# Altium PCB 10515.0462_全联供主板_V1.0.PcbDoc (part 1 of 5) (continued)
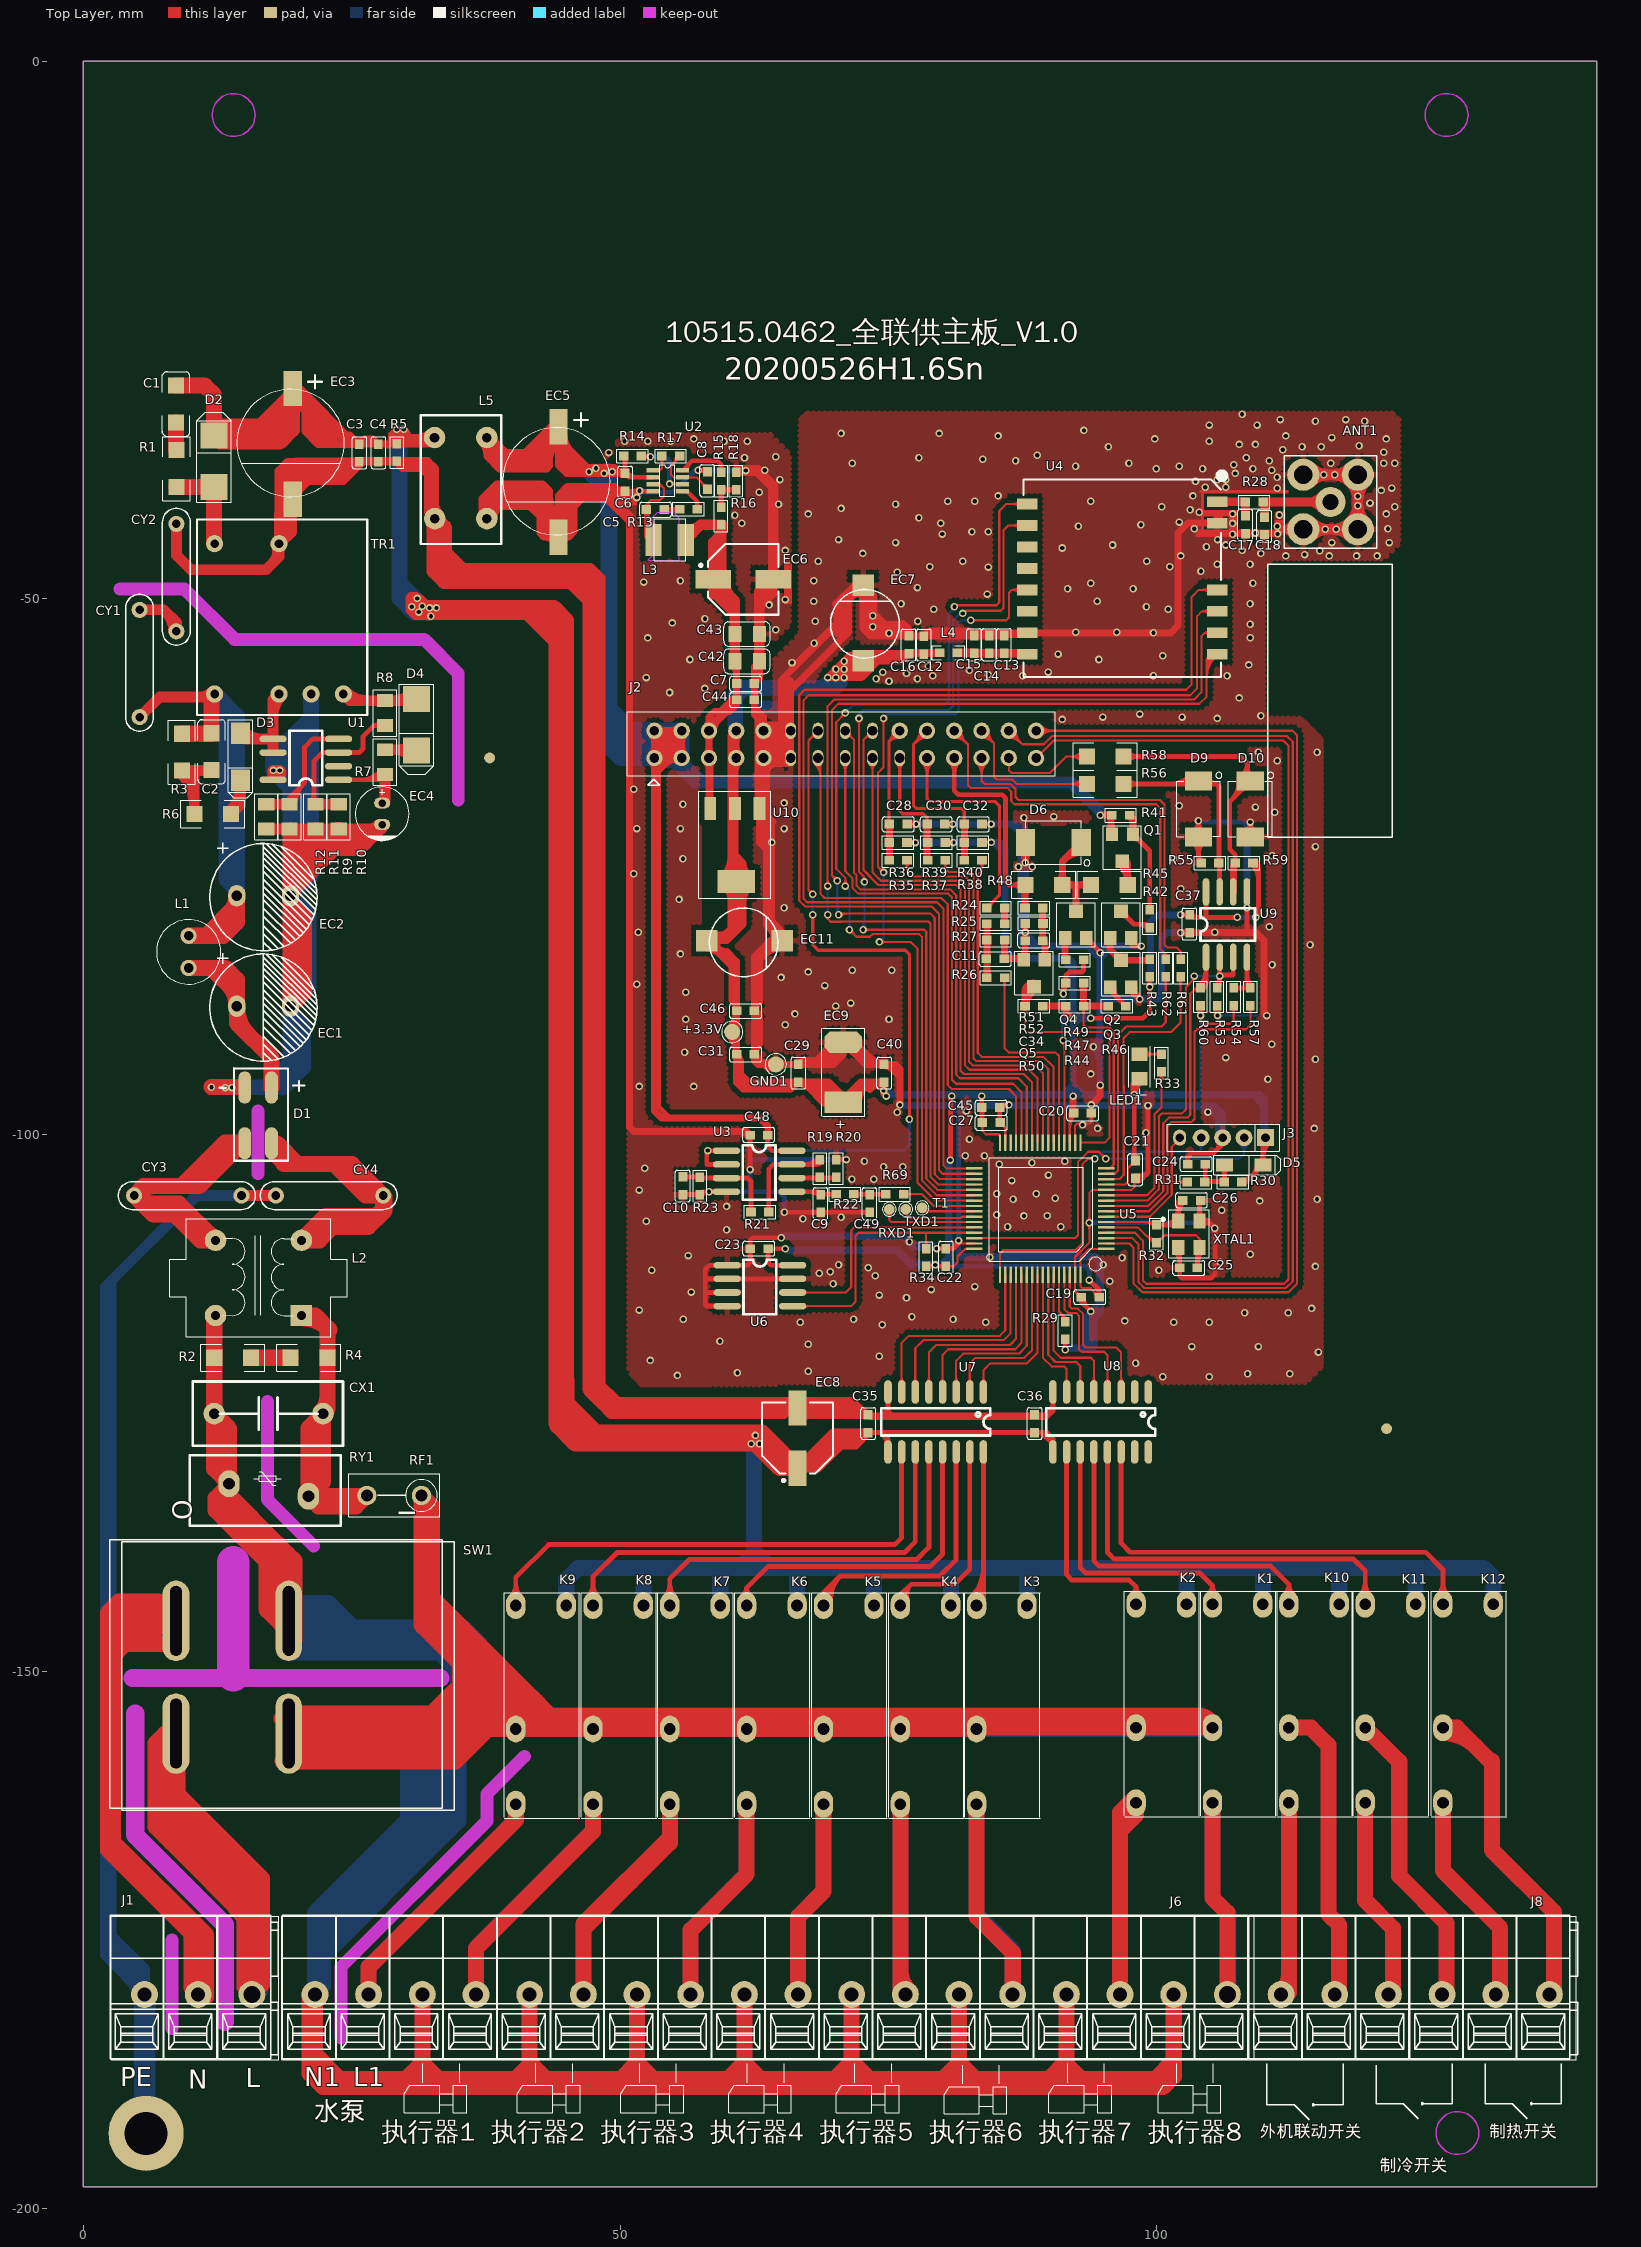
[diagram p0: Top Layer view]
## Footprints (in the part's own frame and the unit in brackets; to place one, negate y for a bottom-side part, rotate by r counter-clockwise, add the part's x,y. Pads: shape width x height; smd on the part's side, far side on the other; paste and mask are expansions set on the pad)
0603R [mil]
  rect 35x32 smd: 1(-32.5,0) 2(32.5,0)
  silkscreen extent -58,-25 58,25, body extent -33,-15 30,16, height 18
0805R [mm]
  rect 1.2x1.524 smd: 1(0,0) 2(2.3,0)
  silkscreen extent -1,-1.1 3.3,1.1, body extent 0.13,-0.64 2.13,0.62, height 0.55
1206R [mm]
  rect 1.5x1.5 smd: 1(-0.02,0) 2(3.409,0)
  silkscreen extent -1.29,-1.27 4.68,1.27, body extent 0.13,-0.76 3.33,0.84, height 0.6
BJT/SMT/SOT-23 [mm]
  rect 1.143x1.27 smd: 1(0,0) 2(1.95,0)
  rect 1.27x1.27 smd: 3(1,2.5)
  silkscreen extent -0.78,-0.8 2.78,3.26
CAP/DIP/0.1uF/250V [mil]
  round 79 hole 39: 1(-399,0) 2(0,0)
  silkscreen extent -472,-118 79,118
CAP/DIP/6.8UF/400V/10MM [mm]
  oval 2x1.6 hole 1: 1(0,-2.5) 2(0,2.5)
  silkscreen extent -4.95,-5.02 5.13,4.98
CAP/DIP/10uF/50V [mm]
  oval 1x1.5 hole 0.7: 1(0,0) 2(2,0)
  silkscreen extent -1.5,-2.5 3.5,2.5
CAP/DIP/102M/250V [mm]
  round 1.5 hole 0.8: 1(0,0) 2(10,0)
  silkscreen extent -1.3,-1.29 11.46,1.31
CAP/SMT/100UF/25V [mm]
  rect 2x2 smd: 1(-0.325,-0.127) 2(6.675,-0.127)
  silkscreen extent -0.1,-3.49 6.3,2.91
CAP/SMT/220UF/16V [mm]
  rect 3.3x1.7 smd: 1(-2.789,0.007) 2(2.811,0.007)
  silkscreen extent -4.06,-3.29 3.31,3.31
CAP/SMT/220UF/50V [mm]
  rect 3.3x1.7 smd: 1(0,-5) 2(10.3,-5)
  silkscreen extent -1.27,-10.2 10.08,-0.21
CAP/SMT/330UF/6.3V [mm]
  rect 2x2 smd: 1(0.056,0) 2(7.056,0)
  silkscreen extent 0.28,-3.37 6.68,3.03
CAP/SMT/0603C [mil]
  rect 35x32 smd: 1(-1,1.97) 2(64,1.97)
  silkscreen extent -28,-24 89,30, body extent -20,-20 82,19, height 35
CAP/SMT/0805C [mm]
  rect 1.2x1.524 smd: 1(0.01,0.01) 2(2.296,0.01)
  silkscreen extent -0.99,-1.13 3.32,1.15, body extent -0.38,-0.64 2.62,0.76, height 0.93
CAP/SMT/1206C [mm]
  rect 1.5x1.5 smd: 1(0.026,0.025) 2(3.455,0.025)
  silkscreen extent -1.25,-1.24 4.73,1.3, body extent -0.38,-0.89 3.82,0.91, height 0.95
CAP/SMT/TAJC476M010RNJ [mm]
  rect 2x3.5 smd: 1(0.047,-0.183)
  oct 2x3.5 smd: 2(5.647,-0.183)
  silkscreen extent -1.25,-2.18 6.95,1.82, body extent -0.13,-1.78 5.87,1.42, height 2.6
CON/DIP/1×3PIN/5.0MM/WJ103-3P [mm]
  round 2.5 hole 1.6: 1(-5,0)
  round 2.5 hole 1.3: 2(0,0) 3(5,0)
  silkscreen extent -7.5,-7.3 8.1,6.1
CON/DIP/1×5PIN/2.0MM [mm]
  rect 1.575x1.575 hole 0.8 mask+0.102: 1(0,0)
  round 1.575 hole 0.8 mask+0.102: 2(2,0) 3(4,0) 4(6,0)
  oval 1.2x1.5 hole 0.8 mask+0.102: 5(8,0)
  silkscreen extent -1.27,-1.27 9.14,1.27
CON/DIP/1×6PIN/5.0MM/WJ103-6P [mm]
  round 2.5 hole 1.3: 1(-12.5,0) 2(-7.5,0) 3(-2.5,0) 4(2.5,0) 5(7.5,0) 6(12.5,0)
  silkscreen extent -15,-7.3 15.6,6.1
CON/DIP/1×18PIN/5.0MM/WJ103-18P [mm]
  round 2.5 hole 1.6: 1(-40,0)
  round 2.5 hole 1.3: 2(-35,0) 3(-30,0) 4(-25,0) 5(-20,0) 6(-15,0) 7(-10,0) 8(-5,0) 9(0,0) 10(5,0) 11(10,0) 12(15,0) 13(20,0) 14(25,0) 15(30,0) 16(35,0) 17(40,0) 18(45,0)
  silkscreen extent -42.5,-7.3 48.1,6.1
CON/DIP/2X15PIN/2.54MM [mil]
  round 60 hole 35.43: 1(0,0) 2(100,0) 3(0,-100) 4(100,-100) 5(0,-200) 6(100,-200) 7(0,-300) 8(100,-300) 9(0,-400) 10(100,-400) 20(100,-900) 21(0,-1000) 22(100,-1000) 23(0,-1100) 24(100,-1100) 25(0,-1200) 26(100,-1200) 27(0,-1300) 28(100,-1300) 29(0,-1400) 30(100,-1400)
  oval 60x39.37 hole 35.43: 11(0,-500) 12(100,-500) 13(0,-600) 14(100,-600) 15(0,-700) 16(100,-700) 17(0,-800) 18(100,-800) 19(0,-900)
  silkscreen extent -65,-1470 170,100
D/SMT/DO-214AC [mil]
  rect 94.49x100 smd: 1(-187.98,-2) 2(1,-2)
  silkscreen extent -274,-65 56,61, body extent -190,-55 15,47, height 40
D/SMT/LED/0805 [mil]
  rect 50x60 smd: 1(2,-6) 2(92,-6)
  silkscreen extent -28,-46 178,34
D/SMT/MD6S-TR [mm]
  oval 3x1.2 smd: 1(-2.745,1.252) 2(-2.745,-1.248) 3(2.455,-1.248) 4(2.455,1.252)
  silkscreen extent -4.37,-4.29 4.24,3.61, body extent -3.44,-2.54 3.56,2.36, height 2.9
D/SMT/SMBJ4.0A [mil]
  rect 70x100 smd: 1(-4.72,-10) 2(200,-10)
  silkscreen extent -4,-96 232,70
D/SMT/SOD123 [mm]
  rect 2x1.8 smd: 1(0.229,0) 2(4.597,0)
  silkscreen extent -1.4,-1.14 5.84,1.14, body extent 0.51,-0.76 4.21,0.84, height 1.2
D/SMT/SOD-123 [mm]
  rect 1.6x1.2 smd: 1(-1.8,0) 2(1.8,0)
  silkscreen extent -3.43,-0.9 2.78,0.9, body extent -1.91,-0.76 1.79,0.84, height 1.2
"DIP4 - DUPLICATE" [mm]
  oval 7.5x2.5 hole 1.1 slot 6.5 at 0 deg: 2(0,10.5) 4(10.5,10.5) ""(0,0) ""(10.5,0)
  silkscreen extent -7.37,-5.08 17.63,25.92
FUSE/3.15A [mm]
  round 1.8 hole 1.1: 1(0,0) 2(5.08,0)
  silkscreen extent -1.71,-2 6.79,2
L/DIP/1mH [mm]
  round 1.5 hole 0.9: 1(0,0) 2(3,0)
  silkscreen extent -1.5,-3 4.5,3
L/DIP/20mH/UU9.8 [mm]
  rect 2x2 hole 0.85: 1(0,0)
  round 2 hole 0.85: 2(0,-7) 3(8,-7) 4(8,0)
  silkscreen extent -4.25,-9 12.25,2
L/DIP/500uH [mm]
  round 2 hole 0.9: 1(0,-4.875) 2(7.55,-4.85) 3(7.55,0) 4(0,0)
  silkscreen extent -2.08,-6.16 9.92,1.34
L/SMT/0603L [mil]
  rect 35x32 smd: 1(-1,-1) 2(64,-1)
  silkscreen extent -28,-26 91,24
L/SMT/SWPA3015S150MT [mm]
  rect 1.5x3 smd: 1(0.175,0.051) 2(3.175,0.051)
  silkscreen extent 0.25,-1.91 3.17,2.03
"L/TRANS/DIP/PN8370 24V 0.4A" [mm]
  round 1.6 hole 0.8: 1(0,0) 3(0,-6) 4(0,-9) 5(0,-12) 8(14,-6) 10(14,0)
  silkscreen extent -1.95,-14.22 16.26,1.65
LQFP64 [mm]
  rect 1.55x0.22 smd: 1(-0.193,0.013) 2(-0.193,-0.487) 3(-0.193,-0.987) 4(-0.193,-1.487) 5(-0.193,-1.987) 6(-0.193,-2.487) 7(-0.193,-2.987) 8(-0.193,-3.487) 9(-0.193,-3.987) 10(-0.193,-4.487) 11(-0.193,-4.987) 12(-0.193,-5.487) 13(-0.193,-5.987) 14(-0.193,-6.487) 15(-0.193,-6.987) 16(-0.193,-7.487) 33(12.107,-7.487) 34(12.107,-6.987) 35(12.107,-6.487) 36(12.107,-5.987) 37(12.107,-5.487) 38(12.107,-4.987) 39(12.107,-4.487) 40(12.107,-3.987) 41(12.107,-3.487) 42(12.107,-2.987) 43(12.107,-2.487) 44(12.107,-1.987) 45(12.107,-1.487) 46(12.107,-0.987) 47(12.107,-0.487) 48(12.107,0.013)
  rect 0.22x1.55 smd: 17(2.207,-9.887) 18(2.707,-9.887) 19(3.207,-9.887) 20(3.707,-9.887) 21(4.207,-9.887) 22(4.707,-9.887) 23(5.207,-9.887) 24(5.707,-9.887) 25(6.207,-9.887) 26(6.707,-9.887) 27(7.207,-9.887) 28(7.707,-9.887) 29(8.207,-9.887) 30(8.707,-9.887) 31(9.207,-9.887) 32(9.707,-9.887) 49(9.707,2.413) 50(9.207,2.413) 51(8.707,2.413) 52(8.207,2.413) 53(7.707,2.413) 54(7.207,2.413) 55(6.707,2.413) 56(6.207,2.413) 57(5.707,2.413) 58(5.207,2.413) 59(4.707,2.413) 60(4.207,2.413) 61(3.707,2.413) 62(3.207,2.413) 63(2.707,2.413) 64(2.207,2.413)
  silkscreen extent 0.16,-8.5 10.7,2.04
MODEL/LSD4RF-2F717N30 [mm]
  rect 1x1.9 smd: 1(-6.89,-8.85) 2(-4.89,-8.85) 3(-2.89,-8.85) 4(-0.89,-8.85) 5(1.11,-8.85) 6(3.11,-8.85) 7(5.11,-8.85) 8(7.11,-8.85) 9(7.11,8.85) 10(5.11,8.85) 11(3.11,8.85) 12(1.11,8.85) 13(-5.11,8.85) 14(-7.11,8.85)
  silkscreen extent -9.82,-9.2 9.21,9.6
OSC/SMT/12M [mm]
  rect 1.15x1.4 smd: 1(0,0) 2(0,-2.5) 3(2,-2.5) 4(2,0)
  silkscreen extent -1.52,-3.43 2.92,1.02
RELAY/HF46F-012-HSIT [mm] "LWH(20.5*7* 15.3MM)"
  oval 1.8x2.5 hole 1.092: 1(-4.7,-18.5) 2(-4.7,-11.5) 3(0,0) 4(-4.7,0)
  silkscreen extent -5.8,-19.8 1.23,1.2
RES/RY/TDK471KD14 [mm]
  oval 2x2.5 hole 1.1: 1(-3.7,0.584) 2(3.701,-0.583)
  silkscreen extent -7.35,-3.33 6.7,3.23
SMA [mm]
  round 3 hole 1.7: 1(-2.54,2.54) 2(2.54,2.54) 3(-2.54,-2.54) 4(2.54,-2.54)
  round 2.8 hole 1.5: 5(0,0)
  silkscreen extent -4.32,-4.32 4.32,4.32
SOIC-8 [mil]
  oval 100x24 smd: 1(0.27,-0.17) 2(0.27,-50.17) 3(0.27,-100.17) 4(0.27,-150.17) 5(240.27,-150.17) 6(240.27,-100.17) 7(240.27,-50.17) 8(240.27,-0.17)
  silkscreen extent 60,-180 180,20, body extent 5,-170 241,23, height 67
SOP-7 [mil]
  oval 100x24 smd: 1(-104.73,94.83) 2(-104.73,44.83) 3(-104.73,-5.17) 4(-104.73,-55.17) 5(135.27,-55.17) 6(135.27,-5.17) 7(135.27,94.83)
  silkscreen extent -45,-85 75,115, body extent -105,-75 131,118, height 67
SOP-8 [mil]
  oval 100x24 smd: 1(0.27,-0.17) 2(0.27,-50.17) 3(0.27,-100.17) 4(0.27,-150.17) 5(240.27,-150.17) 6(240.27,-100.17) 7(240.27,-50.17) 8(240.27,-0.17)
  silkscreen extent 60,-180 180,20
SOP-16 [mm]
  oval 2.2x0.7 smd: 1(0,0) 2(0,-1.27) 3(0,-2.54) 4(0,-3.81) 5(0,-5.08) 6(0,-6.35) 7(0,-7.62) 8(0,-8.89) 9(5.588,-8.89) 10(5.588,-7.62) 11(5.588,-6.35) 12(5.588,-5.08) 13(5.588,-3.81) 14(5.588,-2.54) 15(5.588,-1.27) 16(5.588,0)
  silkscreen extent 1.52,-9.53 4.06,0.64
SOT-223 [mm]
  rect 1.1x2.15 smd: 1(-0.005,-0.002) 2(2.295,-0.002) 3(4.595,-0.002)
  rect 3.5x2.15 smd: 2(2.145,6.798)
  silkscreen extent -1.05,-1.58 5.65,8.37, body extent -0.89,-0.13 5.61,6.83, height 1.7
TEST#1 [mm]
  round 1.5 smd: 1(0,0)
  silkscreen extent -1,-1 1,1
TEST#2 [mm]
  round 1 smd: 1(0,0)
  silkscreen extent -0.65,-0.65 0.65,0.65
TSOT-8 [mm]
  rect 1.2x0.4 smd: 1(0,0) 2(0,-0.65) 3(0,-1.3) 4(0,-1.95) 5(2.746,-1.95) 6(2.746,-1.3) 7(2.746,-0.65) 8(2.746,0)
  silkscreen extent 0.64,-2.41 2.03,0.51

## Part data
ANT1: library part OTHER/Antena/SMA座
C1 C2: library part CAP/CAP/SMT/1206C
C3 C4 C5 C6 C7 C8 C9 C10 C11 C12 C13 C14 C15 C16 C17 C18 C19 C20 C21 C22 C23 C24 C25 C26 C27 C28 C29 C30 C31 C32 C35 C36 C37 C40 C44 C45 C46 C48 C49: library part CAP/CAP/SMT/0603C
C34: library part A_Cap_0805
C42 C43: library part CAP/CAP/SMT/0805C
CX1: library part CAP/DIP/0.1uF/275V
CY1 CY2 CY3 CY4: library part CAP/DIP/102M/250V
D1: library part D/BRIDGE/SMT/MB10S, "D_Bridge"
D2: library part D/D/SMT/SS210/DO-214
D3: library part D/D/SMT/1N4007-SOD123
D4: library part D/D/SMT/FFM107/DO-214
D5: library part D/D/SMT/1N4148/SOD-123, "VR=75V T(-65-175)P(0.5W)VF=0.6V"
D6 D9 D10: library part D/TVS/SMT/SMBJ6.5A/DO-214
EC1 EC2: library part CAP/AEC/DIP/6.8uF/400V
EC3 EC8: library part CAP/AEC/DIP/330uF/25V
EC4: library part CAP/AEC/DIP/10uF/50V
EC5: library part CAP/AEC/SMT/220uF/50V
EC6: library part CAP/AEC/SMT/220uF/16V
EC7: library part CAP/AEC/SMT/330uF/6.3V
EC9: library part CAP/TEC/SMT/TAJC476M010RNJ
EC11: library part CAP/AEC/SMT/100uF/25V
J1: library part CON/DIP/1X3PIN/WJ103-5.0MM, "Connector"
J2: "Connector"
J3: library part CON/DIP/1X5PIN_2MM, "Connector"
J6: library part CON/DIP/1X18PIN/WJ103-5.0MM, "Connector"
J8: library part CON/DIP/1X6PIN/WJ103-5.0MM, "Connector"
K1 K2 K3 K4 K5 K6 K7 K8 K9 K10 K11 K12: library part RELAY/GENERAL/DIP/HF46F/012-HS1T
L1: library part L/L/DIP/JYGX68-1.0mH/300mA, "工字电感"
L2: library part L/L/DIP/20mH, "共模电感"
L3: library part L/L/SMT/SWPA3015S150MT, "电感3.0MM*3.0MM*1.5MM"
L4: library part L/BEAD/SMT/0603L
L5: library part L/L/DIP/100uH_共模电感, "共模电感"
LED1: library part D/LED/SMT/BL-HG635A-TRB高亮绿/0805
Q1: library part PNP, "PNP Bipolar Transistor"
Q2 Q3 Q4 Q5: library part BJT/NPN/SMT/SS8050/SOT-23, "Vce25V/Vcb40V/Veb5V/Ic1.5V/Pd300mW"
R1 R2 R3 R4 R6 R45 R48 R56 R58: library part RES/RES/SMT/1206
R5 R13 R14 R15 R16 R17 R18 R19 R20 R21 R22 R23 R24 R25 R26 R27 R28 R29 R30 R31 R32 R33 R34 R35 R36 R37 R38 R39 R40 R69: library part RES/RES/SMT/0603
R7 R8 R9 R10 R11 R12: library part RES/RES/SMT/0805
R41 R42 R43 R44 R46 R47 R49 R50 R51 R52: library part A_Res_0805, "Resistor"
R53 R54 R55 R57 R59 R60 R61 R62: library part Res1, "Resistor"
RF1: library part FUSE/FUSE/DIP/3.15A
RY1: library part RES/RY/DIP/TDK471KD14
SW1: library part SWITCH/POWER/DIP/船型开关
TR1: library part "L/TRANS/DIP/PN8370 24V 0.4A"
U1: library part IC/POWER/SMT/PN8366/SOP-8
U2: library part IC/POWER/SMT/MPS2314/SOT23-8
U3: library part IC/OP/SMT/SGM358YS/SOIC-8, "1MHz 60uA Rail-to-Rail i/o CMOS OP"
U4: library part MODLE/RF/LSD4RF-2F717N30
U5: library part MCU/SMT/STM32F030RCT6/LQFP64
U6: library part IC/FLASH/SMT/M24512-RMN6TP/SO8, "512 Kbit serial I2C bus EEPROM with three Chip Enable lines"
U7 U8: library part IC/DRIVE/SMT/ULN2003ADR/SOIC-16, "High-Voltage, High-Current Darlington Array"
U9: library part MAX487
U10: library part IC/POWER/SMT/SPX1117M3-L3.3TR/SOT-223
XTAL1: library part XTAL/SMT/OSC12MHZ-2

## Free pads (board coordinates)
  round 7 hole 4: 0(5.842,-193.04)
  round 2 on Top Solder: 0(37.846,-64.897) 0(121.412,-127.381)
  round 1 all layers, no hole: 0(37.846,-64.897) 0(121.412,-127.381)
  round 2 on Bottom Solder: 0(37.846,-64.897) 0(121.412,-127.381)

## Via types
v1: diameter 0.7, hole 0.4, Top Layer to Bottom Layer, tented both sides, 450 vias

## Nets (pads, with @x,y where several pads share a name; then routed paths per layer and width w, separated by ;. In a path a pad name is that pad's centre, name@x,y a point inside that pad or via, vN(x,y) a via of type N, cw(c..) or ccw(c..) an arc to the next point about the centre after c; other vN are vias at no path point)
+3.3V: +3.3V.1 C12.2 C16.1 C19.2 C20.2 C21.2 C22.2 C23.2 C27.2 C29.2 C31.2 C37.2 C40.2 C45.2 C46.2 D5.1 EC7.1 EC9.1 EC11.1 J2.7 J2.8 J3.1 L4.2 LED1.2 R30.2 R34.1 R36.1 R39.1 R40.1 R43.2 R44.1 R50.2 R53.2 R54.2 R59.2 U5.1 U5.13 U5.19 U5.32 U5.48 U5.64 U6.8 U9.8 U10.2 | length 730.2
  Top Layer w0.2: R36.1@76.735,-72.782 v1@77.377,-72.782 ; R36.1@77.02,-72.963 cw(c77.377,-73.224) v1@77.377,-72.782 ; R36.1@77.02,-72.602 ccw(c77.377,-72.341) v1@77.377,-72.782 ; v1@77.327,-72.959 ccw(c76.9,-73.386) 76.9,-72.782 ccw(c76.9,-72.179) v1@77.327,-72.606 ; R39.1@80.298,-72.782 v1(81.06,-72.782) ; C22.2@80.348,-112.254 81.085,-112.254 ; R39.1@80.556,-72.996 cw(c81.06,-73.484) v1(81.06,-72.782) ; R39.1@80.556,-72.569 ccw(c81.06,-72.081) v1(81.06,-72.782) ; C22.2@80.565,-112.47 cw(c81.085,-112.988) 81.085,-112.254 ; C22.2@80.565,-112.038 ccw(c81.085,-111.52) 81.085,-112.254 ; v1@80.883,-72.959 ccw(c80.456,-73.386) 80.456,-72.782 ccw(c80.456,-72.179) v1@80.883,-72.606 ; 82.01,-110.776 cw(c82.328,-111.094) U5.48@82.328,-110.644 ; 82.063,-110.723 cw(c82.267,-110.926) U5.48@82.326,-110.644 ; U5.48@82.993,-110.634 82.152,-110.634 81.441,-111.345 81.441,-111.898 81.085,-112.254 ; C27.2@83.536,-99.084 cw(c83.013,-99.607) 83.752,-99.607 cw(c84.492,-99.607) C27.2@83.969,-99.084 ; R40.1@83.72,-72.782 84.064,-72.782 R40.1@83.727,-72.782 ; C27.2@83.752,-98.867 83.752,-99.627 84.074,-99.949 85.217,-99.949 ; 85.078,-99.949 cw(c85.078,-100.384) U5.32@85.386,-100.076 ; 85.281,-100.013 ccw(c85.393,-99.901) U5.32@85.393,-100.059 ; U5.32@85.383,-100.072 ccw(c85.217,-100.123) 85.217,-99.949 ; U5.32@85.393,-100.734 85.393,-100.125 85.217,-99.949 ; 91.893,-99.516 cw(c93.76,-99.516) C20.2@92.44,-98.195 ; 91.893,-99.033 cw(c93.277,-99.033) C20.2@92.298,-98.054 ; 91.893,-98.753 U5.19@91.893,-100.734 C20.2@91.893,-97.991 ; 91.893,-98.55 cw(c92.795,-98.55) C20.2@92.157,-97.912 ; 93.979,-114.426 cw(c93.254,-115.15) C19.2@94.279,-115.15 ; 94.264,-114.711 ccw(c94.585,-114.389) C19.2@94.585,-114.844 ; C19.2@94.32,-114.767 cw(c93.937,-115.15) C19.2@94.479,-115.15 ; C19.2@94.361,-114.808 93.853,-114.3 93.091,-114.3 92.893,-114.102 U5.64@92.893,-113.034 92.893,-111.45 93.709,-110.634 U5.1@95.293,-110.634 U5.1@94.725,-110.634 ; U5.13@95.293,-104.634 97.081,-104.634 97.321,-104.394 97.321,-103.105 C21.2@98.028,-102.399 ; 97.44,-102.987 cw(c98.028,-103.575) C21.2@98.028,-102.743 ; 97.532,-102.895 ccw(c97.074,-102.437) C21.2@97.721,-102.437 ; v1@103.908,-89.083 cw(c103.546,-89.473) 104.078,-89.473 ; v1(104.078,-88.9) 104.078,-89.473 ; v1@104.248,-89.083 ccw(c104.61,-89.473) 104.078,-89.473 ; R54.2@106.958,-88.232 cw(c106.435,-88.755) 107.175,-88.755 cw(c107.915,-88.755) R54.2@107.392,-88.232 ; R54.2@107.175,-87.977 107.175,-89.294 106.807,-89.662 104.267,-89.662 104.078,-89.473 ; D5.1@109.55,-102.458 ccw(c108.697,-101.604) 109.904,-101.604 ccw(c111.111,-101.604) D5.1@110.257,-102.458 ; J3.1@109.65,-100.757 cw(c109.036,-101.371) 109.904,-101.371 ; D5.1@109.692,-102.599 ccw(c109.18,-102.087) 109.904,-102.087 ccw(c110.628,-102.087) D5.1@110.116,-102.599 ; D5.1@109.904,-102.684 J3.1@109.904,-100.63 ; D5.1@109.904,-102.491 cw(c112.356,-102.491) J3.1@110.622,-100.757 ; 109.904,-102.008 cw(c111.873,-102.008) J3.1@110.481,-100.616 ; 109.904,-101.525 cw(c111.39,-101.525) J3.1@110.339,-100.475 ; J3.1@109.904,-101.043 cw(c110.907,-101.043) J3.1@110.198,-100.333
  Top Layer w0.45: C23.2@63.66,-110.757 cw(c63.35,-111.066) 63.788,-111.066 cw(c64.226,-111.066) C23.2@63.916,-110.757 ; C23.2@63.954,-110.757 cw(c64.264,-111.066) 64.264,-110.628 cw(c64.264,-110.19) C23.2@63.954,-110.5 ; v1(65.394,-110.628) C23.2@63.788,-110.628 63.788,-111.898 64.046,-112.157 U6.8@66.081,-112.157 ; EC7.1@72.644,-55.824 EC7.1@73.248,-55.22 ; 75.692,-55.22 79.654,-55.22 L4.2@79.781,-55.093 ; 76.457,-55.22 ccw(c76.457,-54.757) C16.1@76.784,-55.084 ; 76.491,-55.22 cw(c76.491,-55.633) C16.1@76.784,-55.341 ; C16.1@77.04,-55.341 cw(c77.333,-55.633) 77.333,-55.22 ; C16.1@77.04,-55.084 ccw(c77.367,-54.757) 77.367,-55.22 ; C12.2@78.154,-55.348 ccw(c77.844,-55.658) 77.844,-55.22 ccw(c77.844,-54.782) C12.2@78.154,-55.091 ; C12.2@78.41,-55.348 cw(c78.72,-55.658) 78.72,-55.22 cw(c78.72,-54.782) C12.2@78.41,-55.091 ; R34.1@78.52,-112.256 78.522,-112.254 79.375,-112.254 C22.2@80.348,-112.254 ; R34.1@78.648,-112.385 cw(c78.963,-112.7) 78.963,-112.254 ; R34.1@78.648,-112.128 ccw(c78.952,-111.824) 78.952,-112.254 ; 78.999,-55.22 ccw(c78.999,-54.348) L4.2@79.615,-54.964 ; C22.2@80.22,-112.382 ccw(c79.91,-112.692) 79.91,-112.254 ccw(c79.91,-111.816) C22.2@80.22,-112.126 ; v1@80.772,-102.239 v1@80.772,-96.393 ; 80.772,-97.001 cw(c81.507,-97.001) v1@80.987,-96.481 ; C45.2@83.552,-97.331 ccw(c83.212,-96.99) 83.693,-96.99 ; C27.2@83.586,-98.739 ccw(c83.266,-98.419) 83.718,-98.419 ; C45.2@83.59,-97.587 cw(c83.28,-97.897) 83.718,-97.897 cw(c84.156,-97.897) C45.2@83.847,-97.587 ; C45.2@83.693,-97.434 v1(83.693,-96.393) ; 83.693,-97.052 ccw(c84.088,-97.052) C45.2@83.809,-97.331 ; C27.2@83.718,-98.834 C45.2@83.718,-97.459 ; 83.718,-98.44 ccw(c84.142,-98.44) C27.2@83.842,-98.739 ; R40.1@83.72,-72.782 83.731,-72.771 v1(84.582,-72.771) ; R40.1@83.886,-72.911 cw(c84.224,-73.248) 84.224,-72.771 ; R40.1@83.886,-72.654 ccw(c84.168,-72.372) 84.168,-72.771 ; R44.1@91.537,-88.23 R44.1@91.537,-88.022 ; v1(93.726,-113.538) 94.623,-114.435 C19.2@94.623,-115.15 ; v1(93.853,-89.154) 98.679,-89.154 99.348,-88.485 v1(99.348,-86.233) R43.2@99.348,-85.292 ; C19.2@94.495,-115.022 ccw(c94.186,-114.712) 94.623,-114.712 ccw(c95.061,-114.712) C19.2@94.752,-115.022 ; C21.2@97.901,-102.399 v1@97.901,-96.393 ; 97.901,-101.616 ccw(c98.772,-101.616) C21.2@98.156,-102.232 ; R43.2@99.22,-85.458 cw(c98.91,-85.768) 99.348,-85.768 cw(c99.786,-85.768) R43.2@99.476,-85.458 ; v1(102.218,-79.519) C37.2@103.074,-79.519 ; C37.2@102.946,-79.647 ccw(c102.636,-79.957) 102.636,-79.519 ccw(c102.636,-79.081) C37.2@102.946,-79.391 ; C37.2@103.074,-79.392 103.43,-79.748 v1(107.505,-79.748) v1@107.632,-79.748 ; C37.2@103.202,-79.429 ccw(c103.972,-78.659) 103.972,-79.748 ; 104.59,-79.748 U9.8@104.59,-77.366 ; R30.2@107.92,-104.405 108.31,-104.405 D5.1@109.904,-102.811 109.904,-100.63 J3.1@110.136,-100.398 ; R30.2@107.958,-104.224 ccw(c107.958,-102.938) 108.868,-103.847 ; R59.2@108.878,-74.808 cw(c107.438,-76.248) 109.474,-76.248 ; 108.922,-103.793 ccw(c107.941,-102.811) D5.1@109.329,-102.811 ; R59.2@108.968,-74.68 109.474,-75.186 109.474,-79.502 v1(109.22,-79.756) ; R59.2@108.995,-74.861 cw(c108.965,-75.369) 109.474,-75.369 ; v1@109.132,-79.668 ccw(c108.305,-78.841) 109.474,-78.841 ; R59.2@109.187,-74.68 ccw(c109.717,-74.68) R59.2@109.342,-75.054 ; R59.2@109.196,-74.49 cw(c108.524,-75.161) 109.474,-75.161 ; D5.1@109.639,-102.546 ccw(c108.999,-101.906) 109.904,-101.906 ccw(c110.809,-101.906) D5.1@110.169,-102.546 ; J3.1@109.738,-100.669 cw(c109.338,-101.069) 109.904,-101.069 ; 109.904,-102.189 cw(c112.054,-102.189) J3.1@110.534,-100.669 ; 109.904,-101.103 cw(c110.967,-101.103) J3.1@110.215,-100.351
  Top Layer w0.65: EC11.1@58.095,-82.59 cw(c58.095,-84.084) 59.152,-83.028 ; EC11.1@58.12,-81.913 ccw(c59.233,-81.813) 59.233,-82.931 ; EC11.1@58.15,-82.588 cw(c58.222,-83.454) 58.836,-82.839 cw(c59.253,-82.422) EC11.1@58.713,-82.186 ; EC11.1@58.156,-82.587 cw(c58.254,-83.676) 59.027,-82.903 cw(c59.714,-82.216) EC11.1@58.759,-82.038 ; EC11.1@58.572,-82.392 cw(c59.725,-83.545) 59.725,-81.915 cw(c59.725,-80.285) EC11.1@58.572,-81.438 ; EC11.1@58.741,-82.111 cw(c59.69,-82.399) 59.69,-81.407 ; EC11.1@58.767,-81.855 ccw(c59.944,-81.75) 59.944,-82.931 ; EC11.1@58.77,-81.915 ccw(c60.535,-81.915) 59.287,-83.163 ; 59.055,-82.931 60.452,-84.328 60.452,-87.503 60.858,-87.909 C46.2@60.858,-88.442 ; U10.2@59.641,-75.863 ccw(c57.991,-74.213) 60.325,-74.213 ; +3.3V.1@60.151,-90.725 cw(c58.445,-92.431) C31.2@60.858,-92.431 ; +3.3V.1@60.151,-90.123 ccw(c58.445,-88.417) C46.2@60.858,-88.417 ; U10.2@60.316,-76.924 cw(c59.036,-78.204) 60.847,-78.204 cw(c62.657,-78.204) U10.2@61.377,-76.924 ; U10.2@60.316,-75.863 ccw(c59.398,-74.945) 60.697,-74.945 ; U10.2@60.325,-76.915 60.325,-77.978 ; 60.325,-74.953 ccw(c61.612,-74.953) U10.2@60.702,-75.863 ; 60.325,-71.559 cw(c62.137,-71.559) U10.2@60.856,-70.278 ; 60.325,-67.628 ccw(c62.137,-67.628) U10.2@60.856,-68.909 ; 60.325,-67.163 cw(c63.076,-67.163) 61.131,-65.217 ccw(c62.179,-66.266) 60.697,-66.266 ; 60.325,-65.594 cw(c61.507,-65.594) J2.7@60.671,-64.758 ; J2.7@60.325,-64.623 cw(c63.076,-64.623) 61.131,-62.677 ccw(c61.877,-63.423) 60.822,-63.423 ccw(c59.767,-63.423) J2.8@60.513,-62.677 ; 60.325,-64.287 ccw(c61.359,-64.287) J2.7@60.683,-65.069 ; 60.325,-63.054 cw(c61.507,-63.054) J2.8@60.671,-62.218 ; J2.7@60.513,-65.217 cw(c60.069,-65.661) 60.697,-65.661 ; J2.7@60.513,-64.599 ccw(c59.767,-63.853) 60.822,-63.853 ccw(c61.877,-63.853) J2.7@61.131,-64.599 ; U10.2@60.697,-76.244 U10.2@60.697,-69.594 J2.7@60.697,-65.034 ; 60.697,-74.221 ccw(c63.02,-74.221) U10.2@61.377,-75.863 ; 60.697,-73.905 61.468,-74.676 61.468,-80.391 60.847,-81.012 ; J2.7@60.822,-64.908 J2.8@60.822,-62.368 J2.8@60.325,-62.865 ; C31.2@60.839,-92.564 cw(c59.933,-93.469) 61.214,-93.469 ; U10.2@60.847,-76.394 60.847,-81.012 ; C31.2@60.849,-92.572 cw(c60.334,-93.286) 61.214,-93.286 ; C31.2@60.965,-92.55 ccw(c61.284,-92.753) 61.017,-93.021 ; U10.2@60.991,-76.924 cw(c59.841,-78.075) 61.468,-78.075 ; U10.2@60.991,-75.863 ccw(c59.841,-74.713) 61.468,-74.713 ; J2.7@61.108,-64.578 cw(c62.59,-62.865) J2.8@60.325,-62.865 ; 61.214,-94.742 61.214,-94.361 ; 61.468,-78.334 cw(c63.462,-78.334) U10.2@62.052,-76.924 ; 61.468,-74.676 ccw(c62.955,-74.676) U10.2@62.002,-75.818 ; 61.976,-95.098 61.239,-94.361 61.214,-94.361 ; C29.2@66.598,-95.217 cw(c66.598,-96.55) 67.54,-95.607 ; C29.2@66.63,-95.211 cw(c66.858,-95.741) 67.266,-95.333 ; 68.257,-96.324 ccw(c69.017,-95.563) EC9.1@69.649,-96.434 ; 68.765,-96.324 ccw(c69.276,-95.812) EC9.1@69.674,-96.417 ; 68.795,-96.862 ccw(c69.47,-96.188) EC9.1@70.03,-96.96 ; 69.151,-95.567 67.5,-95.567 ; EC9.1@69.422,-96.721 cw(c68.961,-96.529) 68.961,-97.028 ; EC9.1@69.459,-97.317 ccw(c68.961,-97.603) 68.961,-97.028 ; EC9.1@69.469,-97.028 68.453,-96.012 68.453,-95.758 ; v1@69.523,-57.223 cw(c70.866,-58.567) v1@70.866,-56.667 ; 69.572,-95.758 68.453,-95.758 ; 69.577,-95.231 cw(c68.331,-96.476) EC9.1@70.021,-96.974 ; v1@70.041,-56.579 ccw(c70.47,-56.149) v1@70.85,-56.623 ; v1@70.12,-57.423 cw(c70.5,-57.897) v1@70.929,-57.467 ; v1@70.122,-57.422 cw(c70.931,-58.231) v1@70.931,-57.087 ; v1@70.122,-56.624 cw(c72.113,-58.615) EC7.1@72.639,-55.849 ; v1@70.128,-57.41 cw(c70.548,-57.521) 70.548,-57.087 ; v1@70.129,-57.404 cw(c72.029,-57.404) v1@70.685,-56.061 ; v1@70.132,-56.649 cw(c71.069,-57.586) 71.069,-56.261 ; v1@70.132,-56.614 ccw(c71.273,-55.473) 71.273,-57.087 ; EC9.1@70.231,-97.028 68.961,-97.028 ; EC9.1@70.351,-96.005 cw(c69.527,-96.828) EC9.1@70.644,-97.157 ; EC9.1@70.795,-96.981 EC9.1@70.795,-96.718 ; v1@70.884,-57.422 cw(c71.693,-58.231) 71.693,-57.087 ; v1@70.884,-56.66 cw(c71.846,-57.622) 71.846,-56.261 cw(c71.846,-54.9) v1@70.884,-55.862 ; v1@70.884,-56.624 ccw(c71.999,-55.509) 71.999,-57.087 ; v1@70.891,-56.641 cw(c72.547,-56.545) 71.374,-55.372 ; v1@70.991,-55.755 cw(c72.391,-57.155) EC7.1@72.761,-55.21 ; 71.224,-56.631 ccw(c71.224,-55.029) EC7.1@72.622,-55.812 ; 71.252,-57.087 ccw(c71.252,-55.715) EC7.1@72.619,-55.822 ; EC9.1@71.545,-96.306 ccw(c71.545,-94.974) 72.486,-95.916 ; EC9.1@71.567,-96.97 cw(c72.529,-96.499) 71.772,-95.741 ; EC7.1@71.837,-56.631 v1(70.115,-56.631) ; 71.955,-57.087 ccw(c71.955,-55.77) EC7.1@73.267,-55.873 ; EC7.1@71.971,-55.771 cw(c70.549,-55.66) 70.549,-57.087 ; EC7.1@71.974,-55.904 ccw(c71.374,-55.976) 71.374,-55.372 ; EC7.1@72.055,-55.494 cw(c70.115,-54.407) v1(70.115,-56.631) ; EC7.1@72.094,-55.432 cw(c70.485,-54.284) 70.485,-56.261 ; EC9.1@72.151,-96.684 cw(c73.393,-96.076) 72.415,-95.098 ; EC7.1@72.167,-56.301 ccw(c71.014,-57.454) 71.014,-55.824 ccw(c71.014,-54.194) EC7.1@72.167,-55.347 ; EC7.1@72.192,-55.372 71.374,-55.372 ; EC7.1@72.207,-56.261 70.485,-56.261 ; EC9.1@72.22,-96.976 cw(c74.102,-96.962) 72.771,-95.631 ; EC9.1@72.263,-96.139 72.771,-95.631 73.406,-95.631 73.939,-95.098 C40.2@74.599,-95.098 ; EC7.1@72.294,-56.401 cw(c71.917,-57.023) 72.644,-57.023 ; EC7.1@72.669,-55.827 cw(c73.42,-55.933) EC7.1@73.42,-55.174 ; EC7.1@72.827,-56.515 74.168,-55.174 ; EC7.1@72.994,-56.401 ccw(c73.371,-57.023) 72.644,-57.023 ; EC7.1@73.033,-55.272 ccw(c73.542,-54.549) 74.168,-55.174 ; 73.269,-95.768 cw(c74.599,-97.098) C40.2@74.599,-95.217 ; EC7.1@73.294,-55.174 74.168,-55.174 ; EC7.1@73.312,-55.918 cw(c74.168,-56.038) 74.168,-55.174 ; 73.61,-95.427 cw(c74.307,-96.125) C40.2@74.577,-95.176 ; v1@74.599,-96.189 C40.2@74.599,-95.098 ; v1@74.599,-95.84 ccw(c75.356,-95.84) v1@74.821,-96.375 ; 76.024,-55.499 ccw(c76.024,-54.324) C16.1@76.854,-55.155 ; 76.454,-55.174 C16.1@76.912,-55.174 ; C16.1@76.833,-55.195 cw(c76.454,-55.111) 76.454,-55.499 74.422,-55.499 ; L4.2@79.7,-55.174 75.311,-55.174 ; L4.2@79.781,-55.093 76.994,-55.093 C16.1@76.912,-55.174 ; R50.2@89.378,-88.022 R44.1@91.537,-88.022 91.537,-88.743 91.948,-89.154 v1(92.202,-89.154) ; 91.726,-88.932 ccw(c92.202,-88.455) v1@92.202,-89.129 ; C20.2@92.202,-97.919 v1(92.202,-96.393) ; v1@97.901,-96.393 v1(97.901,-96.266) 97.901,-95.292 LED1.2@98.4,-94.793 ; v1@97.901,-96.312 cw(c99.625,-96.312) LED1.2@98.479,-95.024 ; v1(104.078,-88.9) R53.2@104.078,-87.977 ; EC11.1@58.095,-81.915 58.293,-81.915 58.801,-81.407 59.69,-81.407 ; EC11.1@58.095,-81.915 58.095,-82.098 58.928,-82.931 59.944,-82.931 ; EC11.1@58.095,-81.915 59.944,-81.915 60.847,-81.012 ; 59.69,-81.407 60.325,-80.772 60.325,-77.978 ; 59.944,-82.931 60.858,-83.845 C31.2@60.858,-92.506 ; 60.325,-77.978 J2.8@60.325,-62.865 ; 60.858,-94.513 60.858,-95.148 61.468,-95.758 ; 60.858,-94.513 61.443,-95.098 C29.2@66.598,-95.098 ; 60.858,-94.513 C31.2@60.858,-92.506 ; C31.2@60.858,-92.506 60.858,-92.862 61.214,-93.218 61.214,-94.361 ; 61.468,-95.758 65.938,-95.758 ; 61.468,-95.758 65.938,-95.758 ; 65.938,-95.758 C29.2@66.598,-95.098 ; C29.2@66.598,-95.098 67.031,-95.098 67.5,-95.567 ; C29.2@66.598,-95.098 69.444,-95.098 70.795,-96.449 EC9.1@70.795,-96.718 ; 67.5,-95.567 67.691,-95.758 ; 67.691,-95.758 68.453,-95.758 ; 67.691,-95.758 68.961,-97.028 ; v1(70.115,-56.631) 71.374,-55.372 ; v1(70.115,-56.631) 70.115,-56.653 70.548,-57.087 ; v1(70.115,-56.631) 70.485,-56.261 ; 70.485,-56.261 v1@70.922,-55.824 ; 70.548,-57.087 72.58,-57.087 72.644,-57.023 ; 70.548,-57.087 v1(70.866,-57.404) ; EC9.1@70.795,-96.718 72.415,-95.098 C40.2@74.599,-95.098 ; v1(70.866,-57.404) v1(69.342,-57.404) v1@70.922,-55.824 ; v1(70.866,-57.404) 72.263,-57.404 ; v1@70.922,-55.824 ccw(c71.343,-56.245) 70.885,-56.626 cw(c71.343,-56.245) v1@70.922,-55.824 ; v1@70.922,-55.824 EC7.1@72.644,-55.824 72.644,-57.023 ; 72.263,-57.404 72.517,-57.404 74.041,-55.88 ; 72.263,-57.404 72.644,-57.023 ; 74.041,-55.88 74.422,-55.499 ; 74.041,-55.88 76.206,-55.88 C16.1@76.912,-55.174 ; 74.168,-55.174 75.311,-55.174 ; 74.422,-55.499 74.747,-55.174 75.311,-55.174 ; U10.2@59.787,-77.037 cw(c59.221,-77.985) 60.325,-77.985 ccw(c59.221,-77.985) U10.2@59.787,-77.037 ; 60.325,-77.834 cw(c61.612,-77.834) 60.702,-76.924 ccw(c61.612,-77.834) 60.325,-77.834
  Bottom Layer w0.2: 103.632,-96.38 103.632,-96.331 104.078,-95.885 ; v1@103.901,-89.077 cw(c103.475,-89.504) 104.078,-89.504 cw(c104.682,-89.504) v1@104.255,-89.077 ; 104.078,-96.074 104.078,-95.885 ; v1(104.078,-88.9) 104.078,-95.885 ; 104.648,-96.38 104.573,-96.38 104.078,-95.885
  Bottom Layer w0.45: v1@74.549,-95.758 74.549,-96.012 74.93,-96.393 v1(80.899,-96.393) v1(83.693,-96.393) v1@92.168,-96.393 ; 75.565,-96.393 75.057,-95.885 v1(74.549,-95.885) 74.803,-96.139 91.44,-96.139 ; 80.518,-103.277 cw(c81.687,-103.277) v1@80.86,-102.45 ; 80.759,-112.114 80.759,-111.733 ; v1(80.772,-102.362) v1@80.759,-102.375 ; v1(92.202,-96.393) 91.948,-96.139 91.44,-96.139 ; v1@92.215,-96.38 108.839,-96.38 108.953,-96.38 ; v1(93.726,-113.538) 93.726,-112.649 93.331,-112.254 81.28,-112.254 ; 97.324,-96.38 ccw(c97.324,-95.689) v1@97.812,-96.178 ; v1(97.901,-96.266) 109.728,-96.266 110.136,-96.674 ; v1@97.989,-96.178 ccw(c98.478,-95.689) 98.478,-96.38 ; v1(107.505,-79.748) v1@109.085,-79.748 ; J3.1@109.738,-99.874 ccw(c108.778,-98.914) 110.136,-98.914 ccw(c111.494,-98.914) 110.534,-99.874 cw(c112.172,-98.236) 109.855,-98.236 ; J3.1@109.855,-99.991 109.855,-97.282 108.953,-96.38 ; 109.855,-99.322 ccw(c111.085,-99.322) J3.1@110.215,-100.192 ; J3.1@110.136,-100.398 J3.1@110.136,-100.271 110.136,-97.055 ; 77.279,-111.95 79.946,-111.95 80.518,-111.379 80.518,-102.616 v1@80.759,-102.375 ; 77.279,-111.95 77.583,-112.254 ; 77.279,-111.95 75.957,-110.628 v1(65.394,-110.628) 65.636,-110.871 75.692,-110.871 77.075,-112.254 77.583,-112.254 ; 77.583,-112.254 77.851,-112.254 79.375,-112.254 80.137,-112.254 ; 80.137,-112.254 80.759,-111.632 ; 80.137,-112.254 81.28,-112.254 ; 80.759,-111.733 80.759,-111.632 ; 80.759,-111.733 81.28,-112.254 ; 80.759,-111.632 80.759,-111.506 v1@80.759,-102.375 ; 91.44,-96.139 91.453,-96.152 109.614,-96.152 110.136,-96.674 ; 108.953,-96.38 109.461,-96.38 110.136,-97.055 ; 110.136,-97.055 110.136,-96.674
  Bottom Layer w0.65: J2.8@60.325,-61.872 60.325,-58.928 61.277,-57.975 68.77,-57.975 ; 60.325,-61.683 ccw(c61.507,-61.683) J2.8@60.671,-62.519 ; 60.325,-60.114 ccw(c63.076,-60.114) 61.131,-62.059 cw(c61.877,-61.313) 60.822,-61.313 cw(c59.767,-61.313) 60.513,-62.059 ccw(c58.974,-60.52) 61.15,-60.52 ; J2.8@60.822,-62.368 60.822,-61.087 60.822,-59.701 ; J2.8@61.15,-62.04 61.15,-59.372 ; 67.945,-58.801 68.77,-57.975 ; 68.761,-57.985 cw(c70.104,-59.329) v1@70.104,-57.429 ; 69.088,-58.42 70.358,-57.15 ; v1@69.35,-57.38 ccw(c69.671,-56.463) 70.358,-57.15 ; 69.523,-57.985 cw(c70.866,-59.329) v1@70.866,-57.429 ; v1@69.523,-57.223 cw(c70.866,-58.567) v1@70.866,-56.667 ; 69.533,-57.975 ccw(c68.19,-56.631) v1@70.09,-56.631 ; v1@69.977,-57.531 cw(c70.482,-58.036) v1@70.853,-57.425 ; v1@70.086,-57.386 ccw(c69.43,-56.73) v1@70.358,-56.73 ; v1@70.089,-57.424 cw(c69.665,-57.972) 70.358,-57.972 ; v1@70.097,-56.649 cw(c69.466,-57.28) v1@70.358,-57.28 ; v1@70.129,-57.404 cw(c72.029,-57.404) v1@70.685,-56.061 ; 70.358,-58.122 cw(c71.084,-58.122) v1@70.873,-57.428 ; v1@70.358,-57.36 cw(c71.084,-57.36) v1@70.873,-56.666 ; 70.422,-58.483 ccw(c69.406,-57.467) v1@70.841,-57.405 ; v1@70.88,-57.383 cw(c71.568,-56.388) v1@70.358,-56.388 ; v1(77.504,-72.782) v1(81.06,-72.782) 85.355,-72.782 85.852,-73.279 85.852,-82.423 85.852,-82.677 ; v1(84.582,-72.771) 84.836,-72.771 85.852,-73.787 ; 91.44,-96.139 92.202,-95.377 ; 91.819,-96.273 92.202,-95.89 ; v1(92.202,-96.393) 92.202,-95.758 ; 92.202,-89.789 92.202,-89.757 92.805,-89.154 ; 92.202,-88.392 92.202,-88.551 92.805,-89.154 ; 92.585,-96.26 92.215,-95.89 92.202,-95.89 ; 93.091,-96.152 92.977,-96.152 92.202,-95.377 ; v1(93.853,-89.154) 92.837,-89.154 ; v1(99.348,-86.233) 99.427,-86.154 99.427,-80.151 100.059,-79.519 v1(102.218,-79.519) ; 60.822,-59.701 61.15,-59.372 ; 60.822,-59.701 60.822,-59.066 61.468,-58.42 62.103,-58.42 69.85,-58.42 70.358,-57.912 70.358,-57.15 ; 61.15,-59.372 61.722,-58.801 70.104,-58.801 70.866,-58.039 v1(70.866,-55.88) ; 68.77,-57.975 v1(70.866,-55.88) ; 70.358,-57.15 v1@70.358,-56.388 ; v1@70.358,-56.388 v1(70.866,-55.88) ; 85.852,-82.677 86.741,-83.566 ; 85.852,-82.677 85.852,-83.185 86.233,-83.566 86.741,-83.566 ; 86.741,-83.566 90.932,-83.566 91.186,-83.566 ; 91.186,-83.566 91.821,-83.566 92.202,-83.947 92.202,-84.582 ; 91.186,-83.566 92.202,-84.582 ; 92.202,-95.89 92.202,-95.758 ; 92.202,-95.758 92.202,-95.377 ; 92.202,-95.377 v1(92.202,-89.154) ; v1(92.202,-89.154) 92.202,-84.582 ; v1(92.202,-89.154) 92.837,-89.154 ; 92.805,-89.154 92.837,-89.154 ; 92.805,-89.154 92.837,-89.154 ; v1@70.099,-56.651 cw(c69.638,-57.204) 70.358,-57.204 ccw(c69.638,-57.204) v1@70.099,-56.651
  other v1: 79.375,-112.127 74.803,-96.393 70.104,-57.404 70.866,-56.642
+3.3V_RF: C13.1 C14.1 C15.1 L4.1 U4.8 | length 18
  Top Layer w0.45: L4.1@81.432,-55.093 81.583,-55.243 U4.8@87.924,-55.243 ; L4.1@81.599,-54.964 ccw(c82.272,-54.292) 82.272,-55.243 ; 82.422,-55.243 ccw(c82.422,-54.595) C15.1@82.88,-55.053 ; C15.1@83.136,-55.053 ccw(c83.594,-54.595) 83.594,-55.243 ; 83.819,-55.243 ccw(c83.819,-54.595) C14.1@84.277,-55.053 ; C14.1@84.533,-55.053 ccw(c84.991,-54.595) 84.991,-55.243 ; 85.216,-55.243 ccw(c85.216,-54.595) C13.1@85.674,-55.053 ; C13.1@85.93,-55.053 ccw(c86.388,-54.595) 86.388,-55.243 ; U4.8@87.28,-55.437 ccw(c86.81,-55.907) 86.81,-55.243 ccw(c86.81,-54.579) U4.8@87.28,-55.049
  Top Layer w0.8: L4.1@81.432,-55.093 81.439,-55.099 82.964,-55.099 C15.1@83.008,-55.143 87.824,-55.143 U4.8@87.924,-55.243
+5V: C7.2 C42.2 C43.2 C44.2 EC6.1 J2.5 J2.6 L3.2 R16.2 U10.3 | length 81.4
  Top Layer w0.45: J2.6@58.282,-61.831 ccw(c58.282,-60.535) 59.199,-61.452 ccw(c60.115,-62.368) 58.819,-62.368 cw(c61.342,-62.368) 59.558,-60.584 ; J2.6@58.369,-62.368 cw(c59.806,-62.368) 58.79,-61.352 ; 59.182,-60.579 60.275,-59.486 C44.2@60.858,-59.486 59.765,-60.579 ; 59.563,-60.579 58.282,-61.86 J2.6@58.282,-62.368 60.071,-60.579 ; 59.58,-60.181 cw(c60.82,-61.422) C44.2@60.82,-59.667 ; 60.002,-59.759 cw(c60.445,-60.202) C44.2@60.736,-59.647 ; 60.348,-59.413 cw(c60.82,-59.885) C44.2@60.82,-59.217 ; C44.2@60.484,-59.861 ccw(c60.109,-59.486) C44.2@60.639,-59.486 ; C44.2@60.692,-59.614 ccw(c60.382,-59.924) 60.382,-59.486 ccw(c60.382,-59.048) C44.2@60.692,-59.358
  Top Layer w0.65: J2.5@57.973,-64.599 ccw(c57.227,-63.853) 58.282,-63.853 ccw(c59.337,-63.853) J2.5@58.591,-64.599 ; J2.6@57.973,-62.677 cw(c57.227,-63.423) 58.282,-63.423 cw(c59.337,-63.423) J2.6@58.591,-62.677 ; J2.6@57.973,-62.059 ccw(c57.227,-61.313) 58.282,-61.313 ccw(c59.337,-61.313) J2.6@58.591,-62.059 ; U10.3@58.282,-69.479 J2.5@58.282,-64.908 ; 58.282,-68.248 ccw(c59.217,-68.248) U10.3@58.556,-68.909 ; U10.3@58.397,-69.594 58.397,-65.023 J2.5@58.282,-64.908 ; 58.397,-66.241 ccw(c56.95,-66.241) 57.973,-65.217 cw(c57.227,-65.963) 58.282,-65.963 cw(c59.337,-65.963) 58.591,-65.217 ccw(c59.06,-65.686) 58.397,-65.686 ; 60.433,-60.344 ccw(c59.684,-59.594) C44.2@60.739,-59.494 ; C42.2@60.502,-56.246 cw(c59.64,-57.108) 60.858,-57.108 ; C42.2@60.858,-56.052 C7.2@60.858,-57.962 60.858,-59.919 60.198,-60.579 58.801,-60.579 58.282,-61.098 J2.6@58.282,-62.368 J2.5@58.282,-64.908
  Top Layer w1: L3.2@56.12,-44.588 57.53,-43.179 R16.2@59.422,-43.179 59.422,-47.51 EC6.1@58.679,-48.253 ; L3.2@56.168,-43.593 ccw(c56.46,-42.11) 57.53,-43.179 ; 58.679,-49.658 cw(c59.762,-49.658) EC6.1@59.548,-48.596 ; 59.105,-44.386 ccw(c58.092,-43.373) R16.2@59.515,-43.206 ; 59.422,-47.271 ccw(c60.461,-47.271) EC6.1@59.726,-48.006 ; 59.422,-44.069 58.679,-44.812 EC6.1@58.679,-48.253 ; EC6.1@59.822,-48.32 ccw(c61.516,-48.65) 60.296,-49.87 ; C42.2@60.696,-55.89 C43.2@60.696,-53.35 60.696,-50.27 EC6.1@58.679,-48.253 ; 60.696,-51.425 58.679,-49.408 EC6.1@58.679,-48.253